# Altium PCB PROC114E3_BRD.PcbDoc (part 1 of 18) (continued)
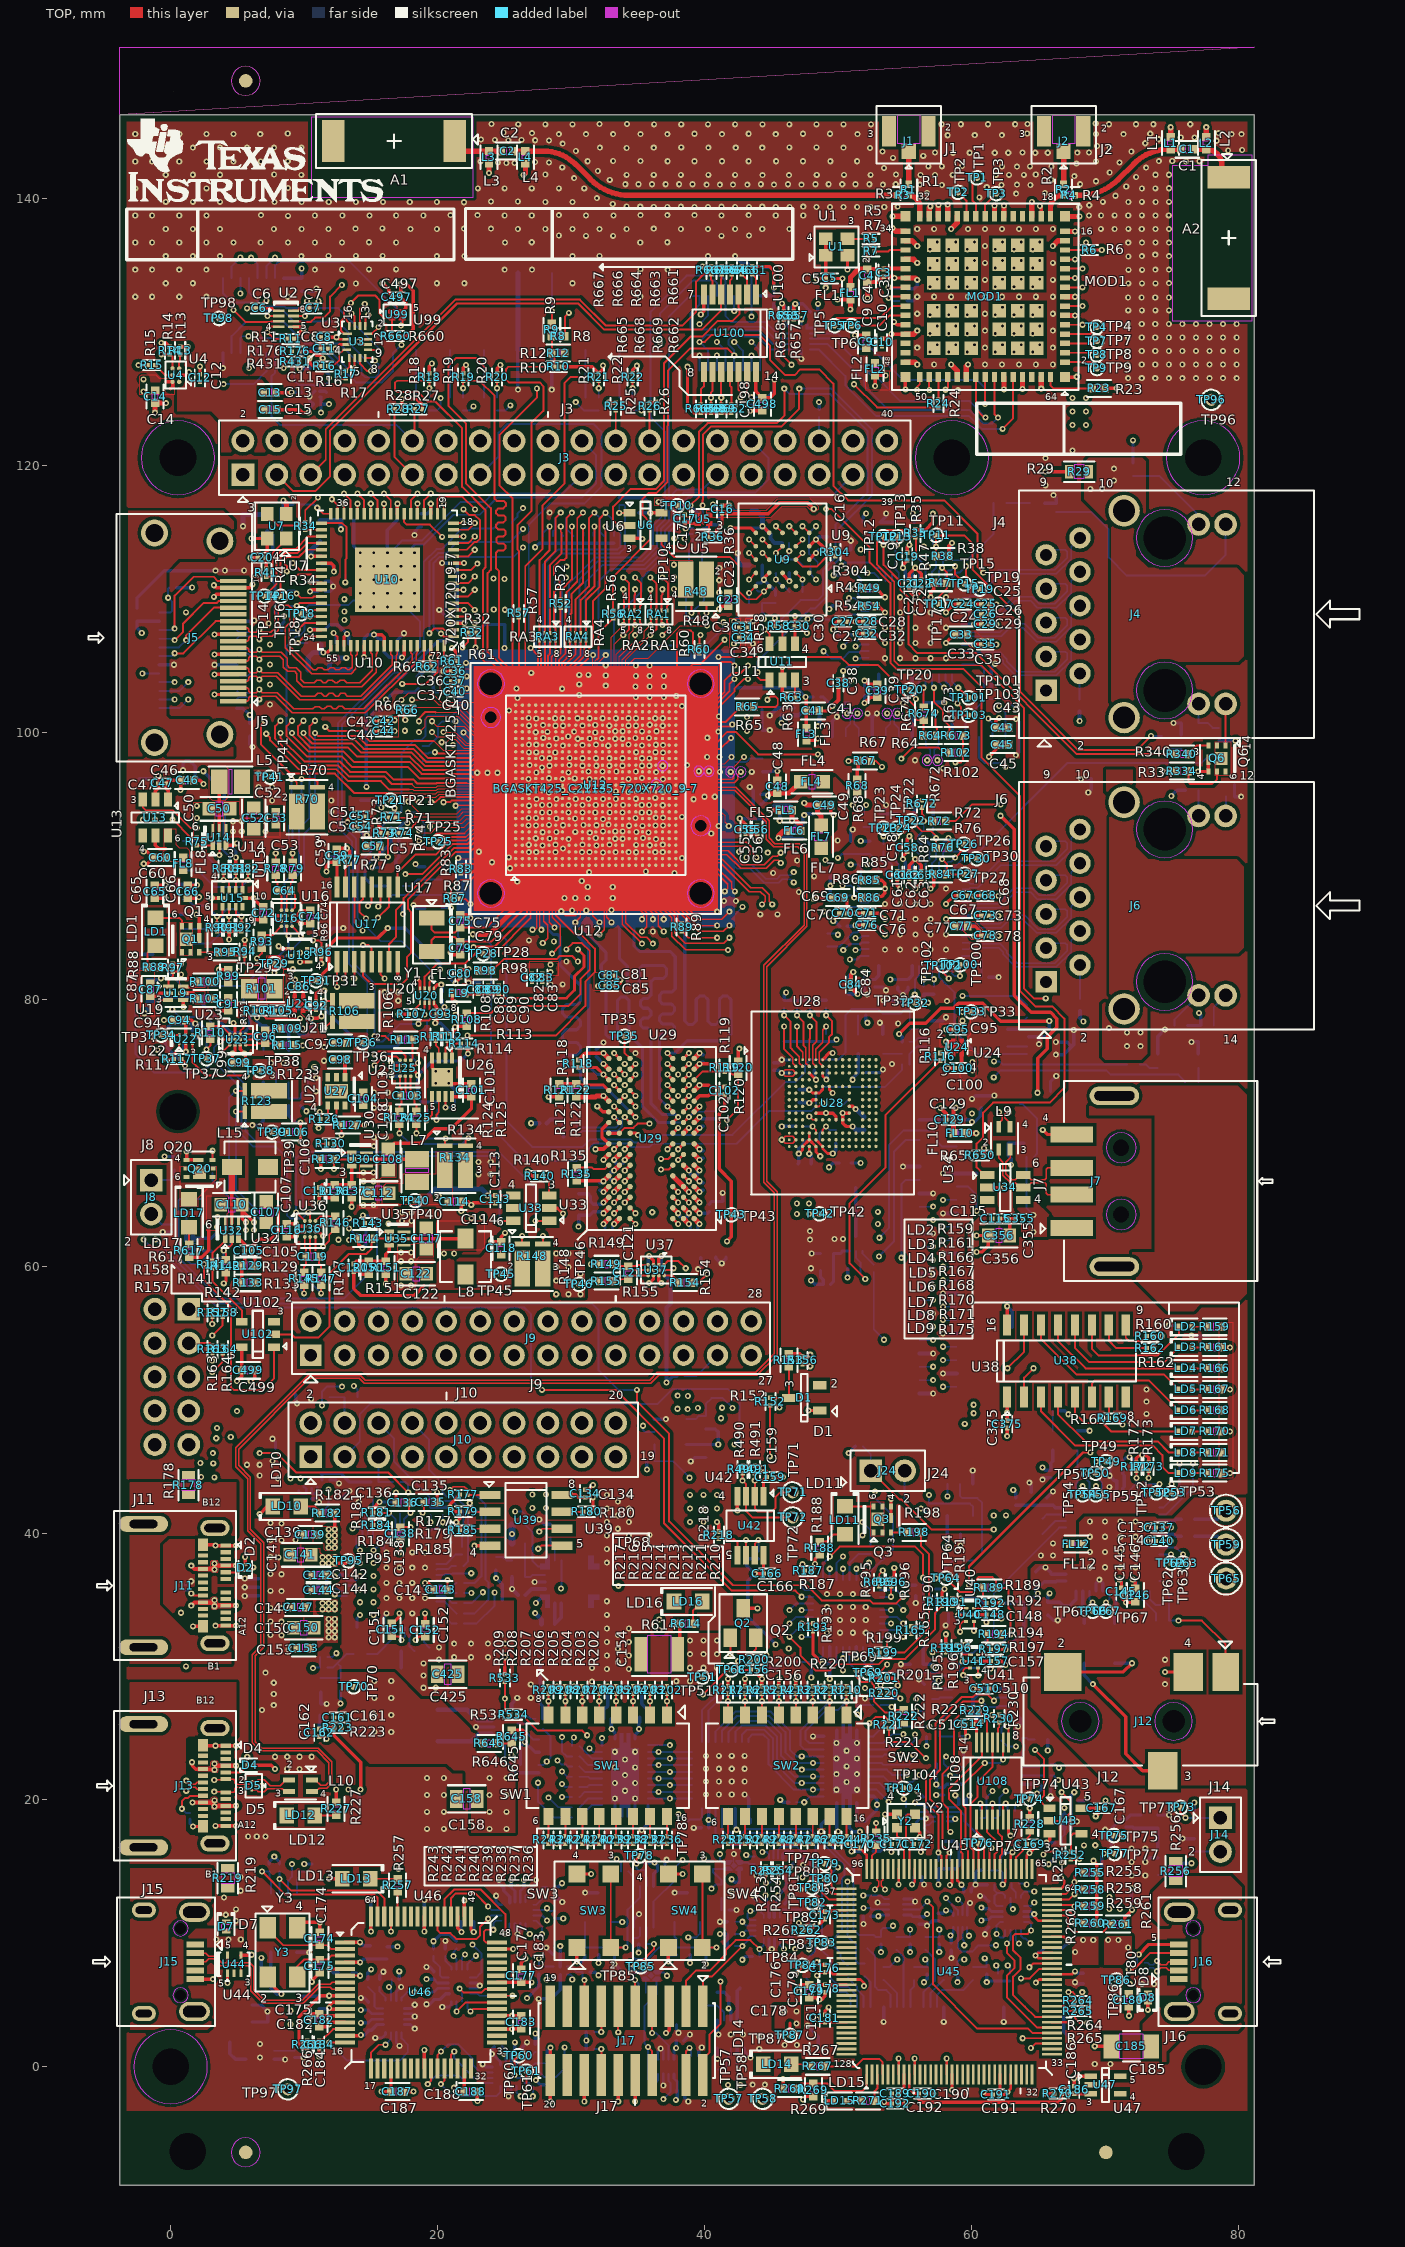
[diagram p0: TOP view]
## Components (designator, comment, footprint, x,y, rotation, side; value= is the part's Value field where it differs from the comment) (continued)
C145 "CAP_CAP0201_0-5_0.1UF" CAP0201_0-5#1 71.256,35.614 r90 top
C146 "CAP_CAP0402_0-75_10UF" CAP0402_0-75#1 72.299,35.355 r90 top
C147 "CAP_CAP0402_0-75_0.1UF" CAP0402_0-75#1 9.615,34.429 r180 top
C148 "CAP_CAP0201_0-5_0.1UF" CAP0201_0-5#1 61.412,33.862 r0 top
C149 "CAP_CAP0805_1-5_10UF" CAP0805_1-5#1 20.764,29.416 r0 bottom
C150 "CAP_CAP0603_1_10UF" CAP0603_1#1 9.971,32.9 r180 top
C151 "CAP_CAP0402_0-75_220PF" CAP0402_0-75#1 16.586,32.739 r90 top
C152 "CAP_CAP0402_0-75_220PF" CAP0402_0-75#1 19.081,32.726 r90 top
C153 "CAP_CAP0402_0-75_0.1UF" CAP0402_0-75#1 9.971,31.379 r180 top
C154 "CAP_CAP1210_2-75_47UF" CAP1210_2-75#1 36.615,30.922 r180 top
C155 "CAP_CAP0603_1_10UF" CAP0603_1#2 22.188,21.986 r0 bottom
C156 "CAP_CAP0201_0-5_0.1UF" CAP0201_0-5#1 43.752,29.748 r180 top
C157 "CAP_CAP0201_0-5_0.1UF" CAP0201_0-5#1 61.741,30.382 r0 top
C158 "CAP_CAP0805_1-5_22UF" CAP0805_1-5#2 22.188,20.081 r180 top
C159 "CAP_CAP0201_0-5_0.1UF" CAP0201_0-5#1 44.935,44.189 r0 top
C160 "CAP_CAP0805_1-5_22UF" CAP0805_1-5#1 22.188,18.049 r0 bottom
C161 "CAP_CAP0201_0-5_0.1UF" CAP0201_0-5#1 12.524,26.172 r180 top
C162 "CAP_CAP0201_0-5_0.1UF" CAP0201_0-5#1 11.139,25.029 r90 top
C164 "CAP_CAP0402_0-75_0.1UF" CAP0402_0-75#1 27.61,24.049 r270 bottom
C166 "CAP_CAP0201_0-5_0.1UF" CAP0201_0-5#1 44.706,36.955 r0 top
C167 "CAP_CAP0201_0-5_0.1UF" CAP0201_0-5#1 69.781,19.37 r0 top
C169 "CAP_CAP0201_0-5_0.1UF" CAP0201_0-5#1 64.428,16.673 r180 top
C170 "CAP_CAP0201_0-5_0.1UF" CAP0201_0-5#1 51.652,16.666 r270 top
C171 "CAP_CAP0201_0-5_12PF" CAP0201_0-5#1 54.294,16.662 r0 top
C172 "CAP_CAP0201_0-5_12PF" CAP0201_0-5#1 55.945,16.662 r180 top
C173 "CAP_CAP0201_0-5_0.1UF" CAP0201_0-5#1 49.036,11.354 r90 top
C174 "CAP_CAP0402_0-75_18PF" CAP0402_0-75#1 11.18,9.596 r90 top
C175 "CAP_CAP0402_0-75_18PF" CAP0402_0-75#1 11.18,7.549 r270 top
C176 "CAP_CAP0201_0-5_0.01UF" CAP0201_0-5#1 49.036,7.366 r90 top
C177 "CAP_CAP0402_0-75_0.1UF" CAP0402_0-75#1 26.288,6.813 r270 top
C178 "CAP_CAP0201_0-5_1UF" CAP0201_0-5#1 49.036,5.857 r270 top
C179 "CAP_CAP0402_0-75_2.2UF" CAP0402_0-75#1 47.868,5.647 r270 top
C180 "CAP_CAP0402_0-75_4.7UF" CAP0402_0-75#1 71.814,4.983 r270 top
C181 "CAP_CAP0201_0-5_0.01UF" CAP0201_0-5#1 49.036,3.617 r90 top
C182 "CAP_CAP0402_0-75_0.1UF" CAP0402_0-75#1 11.129,3.49 r90 top
C183 "CAP_CAP0402_0-75_0.1UF" CAP0402_0-75#1 26.288,3.333 r90 top
C184 "CAP_CAP0201_0-5_0.1UF" CAP0201_0-5#1 11.139,1.661 r90 top
C185 "CAP_CAP1206_1-75_1000PF" CAP1206_1-75#1 71.998,1.534 r0 top
C186 "CAP_CAP0201_0-5_0.01UF" CAP0201_0-5#1 67.705,-1.732 r90 top
C187 "CAP_CAP0402_0-75_0.1UF" CAP0402_0-75#1 16.999,-1.862 r180 top
C188 "CAP_CAP0402_0-75_0.1UF" CAP0402_0-75#1 22.499,-1.862 r180 top
C189 "CAP_CAP0201_0-5_0.01UF" CAP0201_0-5#1 54.31,-2.007 r180 top
C190 "CAP_CAP0201_0-5_0.1UF" CAP0201_0-5#1 56.343,-2.007 r180 top
C191 "CAP_CAP0201_0-5_0.01UF" CAP0201_0-5#1 61.878,-2.083 r180 top
C192 "CAP_CAP0201_0-5_1UF" CAP0201_0-5#1 54.31,-2.769 r180 top
C193 "CAP_CAP0402_0-75_2.2UF" CAP0402_0-75#2 10.906,127.264 r0 bottom
C194 "CAP_CAP0201_0-5_1UF" CAP0201_0-5#2 10.986,124.603 r0 bottom
C195 "CAP_CAP1206_1-75_1000PF" CAP1206_1-75#2 68.189,119.543 r0 bottom
C196 "CAP_CAP0402_0-75_0.1UF" CAP0402_0-75#1 6.694,116.825 r90 bottom
C197 "CAP_CAP0402_0-75_2.2UF" CAP0402_0-75#1 5.424,116.825 r270 bottom
C198 "CAP_CAP0402_0-75_4.7UF" CAP0402_0-75#1 43.055,116.585 r0 bottom
C199 "CAP_CAP0402_0-75_10UF" CAP0402_0-75#1 18.773,115.907 r270 bottom
C200 "CAP_CAP0201_0-5_0.1UF" CAP0201_0-5#1 16.995,116.212 r270 bottom
C201 "CAP_CAP0402_0-75_10UF" CAP0402_0-75#1 13.242,115.898 r0 bottom
C202 "CAP_CAP0402_0-75_0.1UF" CAP0402_0-75#1 35.058,115.969 r270 bottom
C203 "CAP_CAP0402_0-75_0.1UF" CAP0402_0-75#2 43.063,115.317 r0 bottom
C204 "CAP_CAP0402_0-75_10UF" CAP0402_0-75#1 7.786,115.174 r0 bottom
C205 "CAP_CAP0402_0-75_0.1UF" CAP0402_0-75#1 41.135,115.074 r270 bottom
C206 "CAP_CAP0402_0-75_0.1UF" CAP0402_0-75#1 49.235,114.174 r270 bottom
C207 "CAP_CAP0201_0-5_0.1UF" CAP0201_0-5#1 11.295,112.91 r270 bottom
C208 "CAP_CAP0201_0-5_0.1UF" CAP0201_0-5#1 55.208,113.184 r90 bottom
C209 "CAP_CAP0201_0-5_0.1UF" CAP0201_0-5#2 21.195,112.69 r0 bottom
C210 "CAP_CAP0402_0-75_0.1UF" CAP0402_0-75#2 43.842,112.535 r0 bottom
C211 "CAP_CAP0402_0-75_10UF" CAP0402_0-75#1 4.783,111.643 r90 bottom
C212 "CAP_CAP0201_0-5_0.1UF" CAP0201_0-5#1 11.295,111.325 r0 bottom
C213 "CAP_CAP0201_0-5_0.1UF" CAP0201_0-5#1 11.295,110.563 r0 bottom
C214 "CAP_CAP0402_0-75_4.7UF" CAP0402_0-75#1 24.747,110.312 r270 bottom
C215 "CAP_CAP0201_0-5_1UF" CAP0201_0-5#1 23.731,110.312 r90 bottom
C216 "CAP_CAP0201_0-5_0.1UF" CAP0201_0-5#1 61.044,109.597 r0 bottom
C217 "CAP_CAP0201_0-5_0.1UF" CAP0201_0-5#2 21.195,109.19 r0 bottom
C218 "CAP_CAP0201_0-5_0.1UF" CAP0201_0-5#1 42.943,108.565 r0 bottom
C219 "CAP_CAP0402_0-75_10UF" CAP0402_0-75#1 -2.52,108.812 r90 bottom
C220 "CAP_CAP0201_0-5_0.01UF" CAP0201_0-5#1 25.025,108.368 r90 bottom
C221 "CAP_CAP0201_0-5_0.1UF" CAP0201_0-5#3 33.847,96.784 r45 bottom
C222 "CAP_CAP0201_0-5_1UF" CAP0201_0-5#1 23.501,108.368 r90 bottom
C223 "CAP_CAP0201_0-5_0.1UF" CAP0201_0-5#2 21.195,108.317 r0 bottom
C224 "CAP_CAP0201_0-5_1UF" CAP0201_0-5#1 61.044,108.097 r0 bottom
C225 "CAP_CAP0201_0-5_0.1UF" CAP0201_0-5#1 11.295,107.741 r0 bottom
C226 "CAP_CAP0402_0-75_4.7UF" CAP0402_0-75#1 42.892,107.437 r0 bottom
C227 "CAP_CAP0201_0-5_1UF" CAP0201_0-5#2 50.426,107.326 r0 bottom
C228 "CAP_CAP0201_0-5_1UF" CAP0201_0-5#1 61.044,106.597 r0 bottom
C229 "CAP_CAP0201_0-5_0.1UF" CAP0201_0-5#1 17.011,106.49 r90 bottom
C230 "CAP_CAP0402_0-75_10UF" CAP0402_0-75#1 15.995,106.49 r90 bottom
C231 "CAP_CAP0201_0-5_0.1UF" CAP0201_0-5#1 14.495,106.49 r90 bottom
C232 "CAP_CAP0603_1_22UF" CAP0603_1#2 11.114,104.699 r0 bottom
C233 "CAP_CAP0402_0-75_4.7UF" CAP0402_0-75#2 20.182,103.744 r0 bottom
C234 "CAP_CAP0201_0-5_22PF" CAP0201_0-5#2 61.229,103.373 r0 bottom
C235 "CAP_CAP0201_0-5_0.1UF" CAP0201_0-5#1 55.259,103.044 r270 bottom
C236 "CAP_CAP0201_0-5_1UF" CAP0201_0-5#1 54.497,103.044 r270 bottom
C237 "CAP_CAP0201_0-5_1UF" CAP0201_0-5#1 52.762,103.044 r270 bottom
C238 "CAP_CAP0201_0-5_0.1UF" CAP0201_0-5#1 52,103.044 r270 bottom
C239 "CAP_CAP0201_0-5_1UF" CAP0201_0-5#2 29.199,99.959 r0 bottom
C240 "CAP_CAP0201_0-5_0.1UF" CAP0201_0-5#1 26.63,102.91 r270 bottom
C241 "CAP_CAP0201_0-5_0.1UF" CAP0201_0-5#1 27.52,102.91 r270 bottom
C242 "CAP_CAP0402_0-75_10UF" CAP0402_0-75#1 50.839,102.732 r270 bottom
C243 "CAP_CAP0201_0-5_0.1UF" CAP0201_0-5#1 48.452,102.652 r0 bottom
C244 "CAP_CAP0201_0-5_1UF" CAP0201_0-5#1 44.035,101.697 r0 bottom
C245 "CAP_CAP0201_0-5_0.1UF" CAP0201_0-5#1 46.674,101.565 r90 bottom
C246 "CAP_CAP0201_0-5_1UF" CAP0201_0-5#1 45.785,101.565 r90 bottom
C247 "CAP_CAP0201_0-5_0.1UF" CAP0201_0-5#1 44.035,100.935 r0 bottom
C248 "CAP_CAP0402_0-75_10UF" CAP0402_0-75#1 5.923,100.189 r90 bottom
C249 "CAP_CAP0201_0-5_1UF" CAP0201_0-5#1 15.984,100.459 r0 bottom
C250 "CAP_CAP0201_0-5_0.1UF" CAP0201_0-5#1 44.035,100.173 r0 bottom
C251 "CAP_CAP0201_0-5_1UF" CAP0201_0-5#1 32.816,99.565 r90 bottom
C252 "CAP_CAP0201_0-5_0.1UF" CAP0201_0-5#4 30.352,99.103 r135 bottom
C253 "CAP_CAP0201_0-5_0.1UF" CAP0201_0-5#4 28.973,99.08 r135 bottom
C254 "CAP_CAP0201_0-5_0.1UF" CAP0201_0-5#1 33.734,98.964 r0 bottom
C255 "CAP_CAP0201_0-5_0.1UF" CAP0201_0-5#3 31.411,98.75 r225 bottom
C256 "CAP_CAP0201_0-5_1UF" CAP0201_0-5#3 35.625,98.57 r45 bottom
C257 "CAP_CAP0201_0-5_1UF" CAP0201_0-5#3 29.682,98.53 r45 bottom
C258 "CAP_CAP0201_0-5_1UF" CAP0201_0-5#4 29.122,97.724 r315 bottom
C259 "CAP_CAP0201_0-5_0.1UF" CAP0201_0-5#2 33.468,98.344 r0 bottom
C260 "CAP_CAP0201_0-5_0.1UF" CAP0201_0-5#1 32.249,98.344 r0 bottom
C261 "CAP_CAP0201_0-5_0.1UF" CAP0201_0-5#1 30.522,97.861 r90 bottom
C262 "CAP_CAP0201_0-5_0.1UF" CAP0201_0-5#3 34.37,97.843 r45 bottom
C263 "CAP_CAP0201_0-5_0.1UF" CAP0201_0-5#2 26.481,99.731 r0 bottom
C264 "CAP_CAP0201_0-5_0.1UF" CAP0201_0-5#1 31.368,97.641 r90 bottom
C265 "CAP_CAP0201_0-5_0.1UF" CAP0201_0-5#3 34.84,97.429 r225 bottom
C266 "CAP_CAP0201_0-5_0.1UF" CAP0201_0-5#2 27.725,96.487 r0 bottom
C267 "CAP_CAP0201_0-5_0.1UF" CAP0201_0-5#4 30.326,96.891 r135 bottom
C268 "CAP_CAP0201_0-5_0.1UF" CAP0201_0-5#4 32.998,96.229 r315 bottom
C269 "CAP_CAP0201_0-5_1UF" CAP0201_0-5#4 28.97,96.937 r135 bottom
C270 "CAP_CAP0201_0-5_0.01UF" CAP0201_0-5#3 34.868,96.144 r225 bottom
C271 "CAP_CAP0201_0-5_0.1UF" CAP0201_0-5#4 29.938,95.982 r135 bottom
C272 "CAP_CAP0201_0-5_0.1UF" CAP0201_0-5#3 28.825,95.834 r45 bottom
C273 "CAP_CAP0201_0-5_0.1UF" CAP0201_0-5#1 31.321,95.591 r90 bottom
C274 "CAP_CAP0201_0-5_0.1UF" CAP0201_0-5#1 32.071,95.397 r90 bottom
C275 "CAP_CAP0201_0-5_0.1UF" CAP0201_0-5#2 43.93,95.379 r0 bottom
C276 "CAP_CAP0201_0-5_1UF" CAP0201_0-5#4 27.796,95.316 r135 bottom
C277 "CAP_CAP0201_0-5_0.1UF" CAP0201_0-5#4 29.811,95.27 r135 bottom
C278 "CAP_CAP0201_0-5_0.1UF" CAP0201_0-5#1 35.686,95.194 r0 bottom
C279 "CAP_CAP0201_0-5_0.1UF" CAP0201_0-5#1 32.833,95.169 r90 bottom
C280 "CAP_CAP0201_0-5_0.1UF" CAP0201_0-5#1 34.047,95.164 r0 bottom
C281 "CAP_CAP0201_0-5_0.01UF" CAP0201_0-5#2 43.93,94.617 r0 bottom
C282 "CAP_CAP0201_0-5_0.1UF" CAP0201_0-5#3 31.324,94.341 r45 bottom
C283 "CAP_CAP0201_0-5_0.1UF" CAP0201_0-5#3 34.516,94.303 r225 bottom
C284 "CAP_CAP0201_0-5_0.1UF" CAP0201_0-5#1 46.413,94.274 r270 bottom
C285 "CAP_CAP0201_0-5_1UF" CAP0201_0-5#1 45.651,94.274 r270 bottom
C286 "CAP_CAP0201_0-5_0.1UF" CAP0201_0-5#4 29.27,94.271 r135 bottom
C287 "CAP_CAP0201_0-5_0.01UF" CAP0201_0-5#1 36.371,94.229 r270 bottom
C288 "CAP_CAP0201_0-5_0.01UF" CAP0201_0-5#1 33.533,94.202 r270 bottom
C289 "CAP_CAP0201_0-5_0.01UF" CAP0201_0-5#1 48.147,94.193 r270 bottom
C290 "CAP_CAP0201_0-5_0.01UF" CAP0201_0-5#4 35.646,93.476 r315 bottom
C291 "CAP_CAP0201_0-5_0.1UF" CAP0201_0-5#1 31.64,93.467 r270 bottom
C292 "CAP_CAP0201_0-5_0.1UF" CAP0201_0-5#1 33.641,93.25 r0 bottom
C293 "CAP_CAP0402_0-75_4.7UF" CAP0402_0-75#1 43.407,93.055 r90 bottom
C294 "CAP_CAP0201_0-5_1UF" CAP0201_0-5#3 27.954,93.406 r225 bottom
C295 "CAP_CAP0201_0-5_0.1UF" CAP0201_0-5#1 44.534,93.041 r90 bottom
C296 "CAP_CAP0201_0-5_0.01UF" CAP0201_0-5#2 16.802,92.866 r0 bottom
C297 "CAP_CAP0402_0-75_4.7UF" CAP0402_0-75#1 47.365,92.524 r90 bottom
C298 "CAP_CAP0201_0-5_0.1UF" CAP0201_0-5#1 46.102,92.441 r90 bottom
C299 "CAP_CAP0201_0-5_1UF" CAP0201_0-5#2 16.802,92.104 r0 bottom
C300 "CAP_CAP0201_0-5_0.1UF" CAP0201_0-5#1 31.859,96.659 r90 bottom
C301 "CAP_CAP0201_0-5_0.1UF" CAP0201_0-5#1 55.208,91.34 r90 bottom
C302 "CAP_CAP0201_0-5_1UF" CAP0201_0-5#1 34.4,92.415 r90 bottom
C303 "CAP_CAP0402_0-75_18PF" CAP0402_0-75#1 19.039,89.456 r270 bottom
C304 "CAP_CAP0201_0-5_0.1UF" CAP0201_0-5#1 61.044,87.753 r0 bottom
C305 "CAP_CAP0402_0-75_18PF" CAP0402_0-75#1 19.039,87.323 r90 bottom
C306 "CAP_CAP0201_0-5_1UF" CAP0201_0-5#1 61.044,86.253 r0 bottom
C307 "CAP_CAP0201_0-5_1UF" CAP0201_0-5#2 50.426,85.482 r0 bottom
C308 "CAP_CAP0201_0-5_1UF" CAP0201_0-5#1 61.044,84.753 r0 bottom
C309 "CAP_CAP0201_0-5_0.1UF" CAP0201_0-5#1 21.718,81.932 r270 bottom
C310 "CAP_CAP0201_0-5_0.1UF" CAP0201_0-5#1 20.829,81.932 r270 bottom
C311 "CAP_CAP0402_0-75_10UF" CAP0402_0-75#1 23.154,81.739 r270 bottom
C312 "CAP_CAP0201_0-5_22PF" CAP0201_0-5#2 61.039,81.656 r0 bottom
C313 "CAP_CAP0402_0-75_10UF" CAP0402_0-75#1 27.772,81.631 r270 bottom
C314 "CAP_CAP0402_0-75_4.7UF" CAP0402_0-75#1 26.502,81.631 r270 bottom
C315 "CAP_CAP0201_0-5_0.1UF" CAP0201_0-5#1 55.259,81.2 r270 bottom
C316 "CAP_CAP0201_0-5_1UF" CAP0201_0-5#1 54.497,81.2 r270 bottom
C317 "CAP_CAP0201_0-5_1UF" CAP0201_0-5#1 52.762,81.2 r270 bottom
C318 "CAP_CAP0201_0-5_0.1UF" CAP0201_0-5#1 52,81.2 r270 bottom
C319 "CAP_CAP0402_0-75_10UF" CAP0402_0-75#1 50.839,80.888 r270 bottom
C320 "CAP_CAP0603_1_10UF" CAP0603_1#1 -1.754,80.658 r90 bottom
C321 "CAP_CAP0201_0-5_0.1UF" CAP0201_0-5#1 20.342,80.263 r270 bottom
C322 "CAP_CAP0201_0-5_10PF" CAP0201_0-5#1 55.39,79.492 r90 bottom
C323 "CAP_CAP0402_0-75_0.1UF" CAP0402_0-75#2 8.356,77.684 r0 bottom
C324 "CAP_CAP0201_0-5_1UF" CAP0201_0-5#1 65.844,77.476 r90 bottom
C325 "CAP_CAP0201_0-5_0.1UF" CAP0201_0-5#1 65.082,77.476 r90 bottom
C326 "CAP_CAP0201_0-5_0.1UF" CAP0201_0-5#1 64.32,77.476 r90 bottom
C327 "CAP_CAP1206_1-75_1000PF" CAP1206_1-75#2 69.038,76.462 r0 bottom
C328 "CAP_CAP0201_0-5_0.1UF" CAP0201_0-5#1 31.873,75.966 r270 bottom
C329 "CAP_CAP0201_0-5_0.01UF" CAP0201_0-5#1 39.908,75.566 r90 bottom
C330 "CAP_CAP0201_0-5_1UF" CAP0201_0-5#1 45.175,74.963 r90 bottom
C331 "CAP_CAP0402_0-75_0.1UF" CAP0402_0-75#1 46.499,74.962 r90 bottom
C332 "CAP_CAP0402_0-75_0.1UF" CAP0402_0-75#1 17.245,74.736 r270 bottom
C333 "CAP_CAP0402_0-75_0.1UF" CAP0402_0-75#2 48.721,74.702 r0 bottom
C334 "CAP_CAP0201_0-5_0.01UF" CAP0201_0-5#2 51.802,74.514 r0 bottom
C335 "CAP_CAP0402_0-75_0.1UF" CAP0402_0-75#1 47.144,72.74 r270 bottom
C336 "CAP_CAP0201_0-5_0.01UF" CAP0201_0-5#1 39.908,70.765 r90 bottom
C337 "CAP_CAP0201_0-5_0.01UF" CAP0201_0-5#2 27.906,70.709 r0 bottom
C338 "CAP_CAP0402_0-75_2.2UF" CAP0402_0-75#1 51.951,70.706 r90 bottom
C339 "CAP_CAP0201_0-5_0.01UF" CAP0201_0-5#1 39.908,68.366 r90 bottom
C340 "CAP_CAP0201_0-5_0.01UF" CAP0201_0-5#2 33.634,67.691 r0 bottom
C341 "CAP_CAP0402_0-75_2.2UF" CAP0402_0-75#1 47.51,67.678 r0 bottom
C343 "CAP_CAP0201_0-5_0.01UF" CAP0201_0-5#1 39.234,66.891 r0 bottom
C344 "CAP_CAP0201_0-5_0.01UF" CAP0201_0-5#1 32.96,66.765 r270 bottom
C346 "CAP_CAP0201_0-5_0.01UF" CAP0201_0-5#1 39.908,65.965 r90 bottom
C347 "CAP_CAP0201_0-5_0.01UF" CAP0201_0-5#1 32.159,65.965 r90 bottom
C349 "CAP_CAP0603_1_22UF" CAP0603_1#1 30.573,64.613 r90 bottom
C350 "CAP_CAP0201_0-5_0.01UF" CAP0201_0-5#1 32.159,64.366 r90 bottom
C351 "CAP_CAP0402_0-75_2.2UF" CAP0402_0-75#1 41.368,64.359 r90 bottom
C352 "CAP_CAP0201_0-5_0.1UF" CAP0201_0-5#1 40.352,64.359 r270 bottom
C353 "CAP_CAP0603_1_4.7UF" CAP0603_1#2 51.347,63.866 r0 bottom
C354 "CAP_CAP0201_0-5_0.01UF" CAP0201_0-5#1 38.434,63.691 r0 bottom
C355 "CAP_CAP0201_0-5_0.1UF" CAP0201_0-5#1 63.617,63.555 r180 top
C356 "CAP_CAP0603_1_10UF" CAP0603_1#1 62.084,62.297 r0 top
C357 "CAP_CAP0603_1_22UF" CAP0603_1#1 48.807,63.155 r270 bottom
C358 "CAP_CAP0201_0-5_0.01UF" CAP0201_0-5#2 39.234,62.891 r0 bottom
C359 "CAP_CAP0201_0-5_0.01UF" CAP0201_0-5#1 32.834,62.891 r0 bottom
C361 "CAP_CAP0201_0-5_0.1UF" CAP0201_0-5#2 37.975,62.012 r0 bottom
C362 "CAP_CAP0201_0-5_0.1UF" CAP0201_0-5#1 41.62,60.957 r90 bottom
C363 "CAP_CAP0201_0-5_0.1UF" CAP0201_0-5#1 40.858,60.957 r90 bottom
C365 "CAP_CAP0402_0-75_0.1UF" CAP0402_0-75#2 36.284,60.057 r0 bottom
C367 "CAP_CAP0201_0-5_120PF" CAP0201_0-5#1 49.188,58.659 r0 bottom
C371 "CAP_POL_CAPT7343D_3-25_150UF_10" CAPT7343D_3-25 63.083,58.526 r270 bottom
C372 "CAP_CAP1206_1-75_1000PF" CAP1206_1-75#1 77.89,56.297 r270 bottom
C375 "CAP_CAP0201_0-5_0.1UF" CAP0201_0-5#1 62.688,48.148 r270 top
C376 "CAP_CAP0201_0-5_1UF" CAP0201_0-5#1 10.529,50.861 r270 bottom
C377 "CAP_CAP0402_0-75_0.1UF" CAP0402_0-75#1 9.386,50.861 r90 bottom
C379 "CAP_CAP0402_0-75_2.2UF" CAP0402_0-75#2 8.345,46.365 r0 bottom
C380 "CAP_CAP0402_0-75_0.1UF" CAP0402_0-75#1 40.101,46.147 r270 bottom
C381 "CAP_CAP0201_0-5_0.1UF" CAP0201_0-5#1 8.472,45.222 r0 bottom
C384 "CAP_CAP0402_0-75_10UF" CAP0402_0-75#2 70.861,44.943 r0 bottom
C385 "CAP_CAP0201_0-5_0.1UF" CAP0201_0-5#2 46.309,131.535 r0 bottom
C386 "CAP_CAP0201_0-5_0.1UF" CAP0201_0-5#1 65.965,44.423 r270 bottom
C387 "CAP_CAP0201_0-5_1UF" CAP0201_0-5#1 11.623,43.972 r0 bottom
C388 "CAP_CAP0201_0-5_0.1UF" CAP0201_0-5#2 71.198,43.927 r0 bottom
C391 "CAP_CAP0402_0-75_2.2UF" CAP0402_0-75#2 8.595,43.317 r0 bottom
C392 "CAP_CAP1206_1-75_1000PF" CAP1206_1-75#1 5.119,42.809 r0 bottom
C393 "CAP_CAP0402_0-75_10UF" CAP0402_0-75#1 64.505,42.562 r90 bottom
C394 "CAP_CAP0201_0-5_0.1UF" CAP0201_0-5#1 65.648,42.352 r90 bottom
C395 "CAP_CAP1210_2-75_47UF" CAP1210_2-75#2 36.615,41.844 r0 bottom
C396 "CAP_CAP0805_1-5_1UF" CAP0805_1-5#2 30.977,41.387 r0 bottom
C397 "CAP_CAP0402_0-75_0.1UF" CAP0402_0-75#2 76.247,41.037 r0 bottom
C398 "CAP_CAP0805_1-5_1UF" CAP0805_1-5#1 10.122,40.57 r0 bottom
C399 "CAP_CAP0402_0-75_0.1UF" CAP0402_0-75#2 76.247,39.767 r0 bottom
C400 "CAP_CAP0603_1_10UF" CAP0603_1#1 30.977,39.583 r0 bottom
C401 "CAP_CAP0201_0-5_0.01UF" CAP0201_0-5#2 10.606,39.021 r0 bottom
C402 "CAP_CAP0402_0-75_36PF" CAP0402_0-75#1 26.074,37.958 r0 bottom
C404 "CAP_CAP0201_0-5_0.1UF" CAP0201_0-5#1 45.212,132.441 r90 bottom
C405 "CAP_CAP0201_0-5_0.1UF" CAP0201_0-5#1 65.978,36.622 r90 bottom
C406 "CAP_CAP0402_0-75_10UF" CAP0402_0-75#1 64.835,36.622 r90 bottom
C407 "CAP_CAP0201_0-5_1UF" CAP0201_0-5#2 26.316,35.354 r0 bottom
C408 "CAP_CAP0402_0-75_0.1UF" CAP0402_0-75#1 9.817,133.554 r90 bottom
C409 "CAP_CAP0201_0-5_0.01UF" CAP0201_0-5#2 10.123,34.424 r0 bottom
C410 "CAP_CAP0402_0-75_10UF" CAP0402_0-75#1 65.724,34.326 r270 bottom
C411 "CAP_CAP0201_0-5_0.1UF" CAP0201_0-5#1 66.892,34.275 r270 bottom
C412 "CAP_CAP0402_0-75_0.47UF" CAP0402_0-75#2 74.328,33.433 r0 bottom
C413 "CAP_CAP0402_0-75_0.1UF" CAP0402_0-75#2 28.295,33.17 r0 bottom
C414 "CAP_CAP0603_1_10UF" CAP0603_1#1 30.977,32.979 r0 bottom
C415 "CAP_CAP0805_1-5_1UF" CAP0805_1-5#1 9.971,32.9 r0 bottom
C416 "CAP_CAP1206_2_47UF" CAP1206_2 70.744,31.737 r270 bottom
C417 "CAP_CAP1206_2_47UF" CAP1206_2 68.458,31.737 r270 bottom
C418 "CAP_CAP0805_1-5_1UF" CAP0805_1-5#2 30.951,31.049 r0 bottom
C419 "CAP_CAP1210_2-75_47UF" CAP1210_2-75#2 36.615,30.922 r0 bottom
C420 "CAP_CAP0805_1-5_22UF" CAP0805_1-5#1 22.188,20.081 r0 bottom
C421 "CAP_CAP0402_0-75_0.1UF" CAP0402_0-75#2 55.907,30.167 r0 bottom
C422 "CAP_CAP0201_0-5_0.01UF" CAP0201_0-5#1 49.392,29.932 r90 bottom
C423 "CAP_CAP0402_0-75_4.7UF" CAP0402_0-75#1 17.769,29.881 r0 bottom
C424 "CAP_CAP0603_1_10UF" CAP0603_1#1 25.006,28.946 r0 bottom
C425 "CAP_CAP0805_1-5_10UF" CAP0805_1-5#2 20.764,29.416 r180 top
C426 "CAP_CAP0402_0-75_0.1UF" CAP0402_0-75#2 36.615,28.509 r0 bottom
C427 "CAP_CAP1206_1-75_1000PF" CAP1206_1-75#1 5.272,28.026 r0 bottom
C429 "CAP_CAP0201_0-5_0.1UF" CAP0201_0-5#1 54.085,27.879 r270 bottom
C430 "CAP_CAP0201_0-5_0.1UF" CAP0201_0-5#2 35.447,26.198 r0 bottom
C431 "CAP_CAP0201_0-5_0.1UF" CAP0201_0-5#2 32.754,26.071 r0 bottom
C432 "CAP_CAP0603_1_10UF" CAP0603_1#1 10.251,20.666 r90 bottom
C433 "CAP_CAP0603_1_10UF" CAP0603_1#1 8.219,20.666 r90 bottom
C435 "CAP_CAP0201_0-5_0.1UF" CAP0201_0-5#1 13.844,20.229 r0 bottom
C437 "CAP_CAP0201_0-5_0.1UF" CAP0201_0-5#2 67.737,19.943 r0 bottom
C439 "CAP_CAP0201_0-5_0.1UF" CAP0201_0-5#1 49.632,18.425 r0 bottom
C440 "CAP_CAP0201_0-5_0.1UF" CAP0201_0-5#2 51.144,18.4 r0 bottom
C441 "CAP_CAP0201_0-5_15PF" CAP0201_0-5#1 71.568,18.247 r270 bottom
C442 "CAP_CAP0201_0-5_0.01UF" CAP0201_0-5#1 40.039,17.906 r0 bottom
C443 "CAP_CAP0201_0-5_1UF" CAP0201_0-5#1 69.889,16.952 r90 bottom
C445 "CAP_CAP0201_0-5_0.1UF" CAP0201_0-5#2 47.103,15.67 r0 bottom
C446 "CAP_CAP0201_0-5_0.1UF" CAP0201_0-5#2 36.767,14.723 r0 bottom
C449 "CAP_CAP0201_0-5_0.1UF" CAP0201_0-5#2 56.021,14.228 r0 bottom
C450 "CAP_CAP0201_0-5_0.1UF" CAP0201_0-5#2 46.417,13.764 r0 bottom
C451 "CAP_CAP0201_0-5_0.01UF" CAP0201_0-5#1 42.6,13.548 r90 bottom
C452 "CAP_CAP0201_0-5_0.1UF" CAP0201_0-5#2 26.76,13.447 r0 bottom
C453 "CAP_CAP0201_0-5_0.1UF" CAP0201_0-5#1 25.236,13.447 r0 bottom
C454 "CAP_CAP0201_0-5_1UF" CAP0201_0-5#1 59.717,13.123 r0 bottom
C455 "CAP_CAP0402_0-75_2.2UF" CAP0402_0-75#1 71.515,12.583 r0 bottom
C456 "CAP_CAP0201_0-5_0.1UF" CAP0201_0-5#2 45.734,12.228 r0 bottom
C457 "CAP_CAP0201_0-5_0.1UF" CAP0201_0-5#1 44.362,12.228 r0 bottom
C458 "CAP_CAP0201_0-5_0.1UF" CAP0201_0-5#1 61.304,12.126 r270 bottom
C459 "CAP_CAP0201_0-5_8.2PF" CAP0201_0-5#1 41.563,11.745 r0 bottom
C460 "CAP_CAP0402_0-75_0.1UF" CAP0402_0-75#1 19.009,11.344 r270 bottom
C461 "CAP_CAP0402_0-75_0.1UF" CAP0402_0-75#1 15.009,11.344 r270 bottom
C462 "CAP_CAP0201_0-5_0.1UF" CAP0201_0-5#1 52.196,11.276 r0 bottom
C463 "CAP_CAP0201_0-5_0.1UF" CAP0201_0-5#1 57.532,11.236 r90 bottom
C464 "CAP_CAP0201_0-5_0.1UF" CAP0201_0-5#1 56.1,10.958 r90 bottom
C465 "CAP_CAP0402_0-75_4.7UF" CAP0402_0-75#2 22.227,10.874 r0 bottom
C466 "CAP_CAP0201_0-5_0.1UF" CAP0201_0-5#1 61.304,10.754 r90 bottom
C467 "CAP_CAP0201_0-5_0.1UF" CAP0201_0-5#1 58.51,8.999 r90 bottom
C468 "CAP_CAP0201_0-5_0.1UF" CAP0201_0-5#2 65.787,8.904 r0 bottom
C469 "CAP_CAP0201_0-5_0.1UF" CAP0201_0-5#1 37.911,8.664 r90 bottom
C470 "CAP_CAP0201_0-5_0.1UF" CAP0201_0-5#1 31.053,8.664 r90 bottom
C471 "CAP_CAP0402_0-75_0.1UF" CAP0402_0-75#1 14.947,8.569 r270 bottom
C472 "CAP_CAP0201_0-5_0.1UF" CAP0201_0-5#1 28.919,8.443 r0 bottom
C473 "CAP_CAP0201_0-5_0.01UF" CAP0201_0-5#1 34.198,7.078 r0 bottom
C474 "CAP_CAP0201_0-5_0.1UF" CAP0201_0-5#2 68.668,6.996 r0 bottom
C475 "CAP_CAP0201_0-5_0.1UF" CAP0201_0-5#1 19.724,6.843 r270 bottom
C476 "CAP_CAP0402_0-75_0.1UF" CAP0402_0-75#1 7.504,6.379 r90 bottom
C477 "CAP_CAP0201_0-5_0.1UF" CAP0201_0-5#2 68.668,6.234 r0 bottom
C478 "CAP_CAP0201_0-5_0.1UF" CAP0201_0-5#1 19.724,5.319 r90 bottom
C479 "CAP_CAP0402_0-75_0.1UF" CAP0402_0-75#1 11.129,4.833 r90 bottom
C480 "CAP_CAP0402_0-75_0.1UF" CAP0402_0-75#2 5.631,4.627 r0 bottom
C481 "CAP_CAP0201_0-5_0.1UF" CAP0201_0-5#1 14.797,4.532 r270 bottom
C482 "CAP_CAP0402_0-75_2.2UF" CAP0402_0-75#2 7.753,3.357 r0 bottom
C483 "CAP_CAP0402_0-75_10UF" CAP0402_0-75#2 5.631,3.357 r0 bottom
C484 "CAP_CAP0201_0-5_0.1UF" CAP0201_0-5#1 37.632,3.159 r0 bottom
C485 "CAP_CAP0201_0-5_0.1UF" CAP0201_0-5#1 14.797,3.008 r90 bottom
C486 "CAP_CAP0603_1_22UF" CAP0603_1#1 45.099,2.652 r270 bottom
C487 "CAP_CAP0201_0-5_0.1UF" CAP0201_0-5#2 38.164,1.954 r0 bottom
C488 "CAP_CAP0201_0-5_0.1UF" CAP0201_0-5#1 24.55,1.496 r0 bottom
C489 "CAP_CAP0201_0-5_0.1UF" CAP0201_0-5#2 26.074,1.28 r0 bottom
C490 "CAP_CAP0201_0-5_0.01UF" CAP0201_0-5#1 9.31,0.975 r90 bottom
C491 "CAP_CAP0603_1_4.7UF" CAP0603_1#1 43.275,-0.396 r0 bottom
C492 "CAP_CAP0201_0-5_0.1UF" CAP0201_0-5#2 38.245,-1.742 r0 bottom
C493 "CAP_CAP0201_0-5_0.1UF" CAP0201_0-5#3 29.344,92.231 r225 bottom
C496 "CAP_CAP0201_0-5_0.1UF" CAP0201_0-5#1 48.23,131.535 r0 bottom
C497 "CAP_CAP0201_0-5_0.1UF" CAP0201_0-5#1 16.954,132.609 r0 top
C498 "CAP_CAP0402_0-75_0.1UF" CAP0402_0-75#1 44.351,124.586 r90 top
C499 "CAP_CAP0402_0-75_0.1UF" CAP0402_0-75#1 5.822,52.197 r0 top
C500 "CAP_CAP0402_0-75_0.1UF" CAP0402_0-75#1 3.048,61.605 r270 bottom
C502 "CAP_CAP0402_0-75_0.1UF" CAP0402_0-75#1 2.456,64.53 r90 bottom
C509 "CAP_CAP0402_0-75_0.1UF" CAP0402_0-75#2 58.703,39.918 r0 bottom
C510 "CAP_CAP0201_0-5_0.1UF" CAP0201_0-5#1 60.993,28.331 r180 top
C511 "CAP_CAP0201_0-5_0.1UF" CAP0201_0-5#2 56.745,28.669 r0 bottom
C512 "CAP_CAP0201_0-5_0.1UF" CAP0201_0-5#1 57.938,20.649 r270 bottom
C513 "CAP_CAP0201_0-5_0.1UF" CAP0201_0-5#1 65.659,20.929 r0 bottom
C514 "CAP_CAP0201_0-5_0.1UF" CAP0201_0-5#1 59.845,25.674 r180 top
C515 "CAP_CAP0201_0-5_0.1UF" CAP0201_0-5#1 59.332,19.676 r0 bottom
C516 "CAP_CAP0201_0-5_0.1UF" CAP0201_0-5#1 56.388,19.939 r90 bottom
D1 "DIODE_ZENER_SOT23_13_SOT23-123_" SOT23-123_1-2#1 47.488,50.13 r180 top
D2 "DIODE_TVS_DUAL_DIO_DFN0201_0-4_" DIO_DFN0201_0-4 5.58,37.405 r90 top
D4 "DIODE_TVS_DUAL_DIO_DFN0201_0-4_" DIO_DFN0201_0-4 5.958,22.591 r0 top
D5 "DIODE_ESD122DMXR_X2SON3_ESD122D" X2SON3_ESD122DMX_30X40_0-4 6.226,21.058 r180 top
D7 "DIODE_SOD323_DIO_DFN0402_0-5_TP" DIO_DFN0402_0-5 4.161,10.501 r270 top
D8 "DIODE_SOD323_DIO_DFN0402_0-5_TP" DIO_DFN0402_0-5 73.237,5.186 r90 top
D9 "DIODE_TVS_DUAL_DIO_DFN0201_0-4_" DIO_DFN0201_0-4 0.98,35.911 r90 bottom
D10 "DIODE_TVS_DUAL_DIO_DFN0201_0-4_" DIO_DFN0201_0-4 1.455,18.79 r270 bottom
D12 "DIODE_SOD323_DIO_DFN0402_0-5_TP" DIO_DFN0402_0-5 40.121,8.604 r90 bottom
D13 "DIODE_SOD323_DIO_DFN0402_0-5_TP" DIO_DFN0402_0-5 33.263,8.604 r90 bottom
D14 "DIODE_ZENER_SOT23_13_SOT23-123_" SOT23-123_1-2#2 64.785,72.161 r0 bottom
FB1 "INDUCTOR_FERRITE_IND0603_300E" IND0603#1 7.665,112.991 r90 bottom
FB2 "INDUCTOR_FERRITE_IND0603_300E" IND0603#1 11.18,115.098 r90 bottom
FB3 "INDUCTOR_FERRITE_IND0603_300E" IND0603#2 14.279,104.699 r0 bottom
FL1 "EMIFILTER_IND_EMIFIL_BLM15A_040" EMIFIL_BLM15A_0402_0-6#1 50.941,132.903 r270 top
FL2 "EMIFILTER_IND_EMIFIL_BLM15A_040" EMIFIL_BLM15A_0402_0-6#1 52.795,127.213 r90 top
FL3 "EMIFILTER_IND_EMIFIL_BLM15A_040" EMIFIL_BLM15A_0402_0-6#1 47.642,99.868 r90 top
FL4 "EMIFILTER_IND_EMIFIL_BLM18K_060" EMIFIL_BLM18K_0603_0-7 48.062,96.304 r180 top
FL5 "EMIFILTER_IND_EMIFIL_BLM15A_040" EMIFIL_BLM15A_0402_0-6#1 46.105,94.172 r180 top
FL6 "EMIFILTER_IND_EMIFIL_BLM15A_040" EMIFIL_BLM15A_0402_0-6#1 46.75,92.619 r180 top
FL7 "EMIFILTER_IND_EMIFIL_BLM18K_060" EMIFIL_BLM18K_0603_0-7 48.745,92.175 r90 top
FL8 "EMIFILTER_IND_EMIFIL_BLM15A_040" EMIFIL_BLM15A_0402_0-6#1 0.941,90.147 r270 top
FL9 "EMIFILTER_IND_EMIFIL_BLM15A_040" EMIFIL_BLM15A_0402_0-6#1 21.574,80.452 r0 top
FL10 "EMIFILTER_IND_EMIFIL_BLM15A_040" EMIFIL_BLM15A_0402_0-6#1 59.13,69.959 r180 top
FL12 "EMIFILTER_IND_EMIFIL_BLM15A_040" EMIFIL_BLM15A_0402_0-6#1 67.883,39.177 r180 top
FL13 "EMIFILTER_IND_EMIFIL_BLM15A_040" EMIFIL_BLM15A_0402_0-6#1 21.767,107.276 r0 bottom
FL14 "EMIFILTER_IND_EMIFIL_BLM15A_040" EMIFIL_BLM15A_0402_0-6#1 18.556,103.744 r90 bottom
FL15 "EMIFILTER_IND_EMIFIL_BLM15P_040" EMIFIL_BLM15P_0402 68.122,102.015 r90 bottom
FL16 "EMIFILTER_IND_EMIFIL_BLM15A_040" EMIFIL_BLM15A_0402_0-6#2 48.161,101.507 r0 bottom
FL17 "EMIFILTER_IND_EMIFIL_BLM15A_040" EMIFIL_BLM15A_0402_0-6#1 1.409,98.344 r90 bottom
FL18 "EMIFILTER_IND_EMIFIL_BLM18K_060" EMIFIL_BLM18K_0603_0-7 14.254,94.082 r270 bottom
FL19 "EMIFILTER_IND_EMIFIL_BLM15A_040" EMIFIL_BLM15A_0402_0-6#1 16.397,89.875 r0 bottom
FL20 "EMIFILTER_IND_EMIFIL_BLM15P_040" EMIFIL_BLM15P_0402 68.147,79.563 r90 bottom
FL21 "EMIFILTER_IND_EMIFIL_BLM15A_040" EMIFIL_BLM15A_0402_0-6#1 60.769,72.322 r90 bottom
FL22 "EMIFILTER_IND_EMIFIL_BLM15A_040" EMIFIL_BLM15A_0402_0-6#1 50.554,67.734 r0 bottom
FL23 "EMIFILTER_IND_EMIFIL_BLM15A_040" EMIFIL_BLM15A_0402_0-6#2 43.069,63.889 r0 bottom
FL25 "EMIFILTER_IND_EMIFIL_BLM15A_040" EMIFIL_BLM15A_0402_0-6#1 16.217,8.539 r90 bottom
FL26 "EMIFILTER_IND_EMIFIL_BLM15A_040" EMIFIL_BLM15A_0402_0-6#1 9.732,4.833 r270 bottom
J1 "CON_3_U.FL-R-SMT_CON_JACK3_U-FL" CON_JACK3_U-FL-R-SMT_P_S_S_1-3 55.317,144.841 r270 top
J2 "CON_3_U.FL-R-SMT_CON_JACK3_U-FL" CON_JACK3_U-FL-R-SMT_P_S_S_1-3 66.922,144.841 r270 top
J3 "HEADER_20X2_HDR_2X20_PEC20DAAN_" HDR_2X20_PEC20DAAN_S_T_8-6 29.547,120.584 r0 top
J4 "CON_RJ45-14_LPJG16314A4NL_CON_R" CON_RJ45-14_LPJG16314A4NL_S_R_T_13-6 74.624,108.863 r90 top
J5 "CON_HDMI_19X1_CON_19X1_10029449" CON_19X1_10029449-001RLF_S_R_S_6-3 0.505,107.097 r270 top
J6 "CON_RJ45-14_LPJG16314A4NL_CON_R" CON_RJ45-14_LPJG16314A4NL_S_R_T_13-6 74.624,87.019 r90 top
J7 "CON_USB-A_4_2SH_CON_USBA4_62910" CON_USBA4_629104151_S_R_S_7-4 73.553,66.37 r90 top
J8 "HEADER_2X1_HDR_1X2_90120-0122_S" HDR_1X2_90120-0122_S_T_5-6 -1.448,65.178 r90 top
J9 "HEADER_14X2_HDR_14X2_100_S_T_HD" HDR_14X2_100_S_T 27.007,54.597 r180 top
J10 "HEADER_10X2_HDR_2X10_PREC010DAA" HDR_2X10_PREC010DAAN_S_T_8-4 21.927,46.977 r0 top
J11 "CON_USB-C_24_1240183621_CON_USB" CON_USBC24_2012670_S_R_S_3-9 0.337,36.058 r270 top
J12 "CON_AUDIOJACK4_SJ-43514-SMT_CON" CON_AV4_SJ-43514-SMT_S_R_S_5-1 72.681,25.887 r90 top
J13 "CON_USB-C_24_1240183621_CON_USB" CON_USBC24_2012670_S_R_S_3-9 0.337,21.058 r270 top
J14 "HEADER_2X1_HDR_1X2_90120-0122_S" HDR_1X2_90120-0122_S_T_5-6 78.675,17.389 r90 top
J15 "CON_USB_MINI-B_CON_MUSBB5_62910" CON_MUSBB5_629105150521_S_R_S_2-7 -0.656,7.864 r270 top
J16 "CON_USB_MINI-B_CON_MUSBB5_62910" CON_MUSBB5_629105150521_S_R_S_2-7 78.036,7.864 r90 top
J17 "HEADER_10X2_FTR-06_HDR_2X10_FTR" HDR_2X10_FTR-110-51-D-06_S_S_8-7 34.177,1.966 r180 top
J18 "HEADER_7X2_CON_BOX2X7_3020-14-0" CON_BOX2X7_3020-14-0300-00_P_S_S_10-4 26.024,131.556 r0 bottom
J19 "CON_FLEX_15X1_1-1734248-5_CON_F" CON_FLEX1X15_1-1734248-5_S_S_S_7-7 56.58,97.851 r0 bottom
J20 "CON_SDCARD9_MEM2075-00-140_CON_" CON_SD9_MEM2051-00-195-00_S_R_S_2-1 4.599,89.952 r90 bottom
J21 "CON_FLEX_40X1_SH4_CON_FLEX1X40_" CON_FLEX1X40_FFC2A32-40-T_S_S_S_4-3 57.512,60.209 r270 bottom
J22 "HEADER_5X2_HDR_2X5_PEC05DAAN_S_" HDR_2X5_PEC05DAAN_S_T_8-6 0.09,51.699 r270 bottom
J23 "CON_FLEX_40X1_FH12A-40S-0.5SH_C" CON_FLEX40X1_FH12A_S_R_S 60.187,1.425 r0 bottom
J24 "HEADER_2X1_HDR_1X2_90120-0122_S" HDR_1X2_90120-0122_S_T_5-6 53.738,44.667 r180 top
L1 "INDUCTOR_IND0402_0-6_2.2NH" IND0402_0-6 74.946,144.165 r90 top
L2 "INDUCTOR_IND0402_0-6_1.8NH" IND0402_0-6 77.615,144.165 r90 top
L3 "INDUCTOR_IND0402_0-6_1.3NH" IND0402_0-6 23.853,143.105 r270 top
L4 "INDUCTOR_IND0402_0-6_2.2NH" IND0402_0-6 26.578,143.105 r270 top
L5 "INDUCTOR_IND0806_1-2_0.47UH" IND0806_1-2#1 4.496,96.302 r0 top
L7 "INDUCTOR_IND0806_1-2_0.47UH" IND0806_1-2#1 18.454,67.156 r270 top
L8 "INDUCTOR_IND_IHLP1212AE-11_130X" IND_IHLP1212AE-11_130X130_SMD_1-5 22.087,60.712 r270 top
L9 "INDUCTOR_DLW31S_IND4_DLW21H_90X" IND4_DLW21H_90X60_SMD_1-4 62.483,69.602 r270 top
L10 "INDUCTOR_DLW31S_IND4_DLW21H_90X" IND4_DLW21H_90X60_SMD_1-4 9.732,21.058 r180 top
L11 "INDUCTOR_IND0806_1-2_0.47UH" IND0806_1-2#2 50.497,65.898 r0 bottom
L12 "INDUCTOR_IND_XAL6060_260X270_SM" IND_XAL6060_260X270_SMD_6-1 36.786,36.332 r0 bottom
L13 "INDUCTOR_IND_XFL4020_170X170_SM" IND_XFL4020_170X170_SMD_2-1 20.017,25.576 r270 bottom
L14 "INDUCTOR_IND_1277AS-H_130X110_S" IND_1277AS-H_130X110_SMD_1-2 43.905,5.903 r0 bottom
L15 "INDUCTOR_IND_IHLP1212AE-11_130X" IND_IHLP1212AE-11_130X130_SMD_1-5 5.935,67.425 r0 top
LD1 "DIODE_LED_LED_150080VS75000_80X" LED_150080VS75000_80X50_SMD_0-8 -1.132,85.055 r270 top
LD2 "DIODE_LED_LED_150040GS73220_4_1" LED_150040GS73220_40X20_SMD_0-4 76.062,55.458 r0 top
LD3 "DIODE_LED_LED_150040GS73220_40X" LED_150040GS73220_40X20_SMD_0-4 76.062,53.909 r0 top
LD4 "DIODE_LED_LED_150040GS73220_4_1" LED_150040GS73220_40X20_SMD_0-4 76.062,52.334 r0 top
LD5 "DIODE_LED_LED_150040GS73220_4_2" LED_150040GS73220_40X20_SMD_0-4 76.062,50.759 r0 top
LD6 "DIODE_LED_LED_150040GS73220_4_2" LED_150040GS73220_40X20_SMD_0-4 76.062,49.185 r0 top
LD7 "DIODE_LED_LED_150040GS73220_4_1" LED_150040GS73220_40X20_SMD_0-4 76.062,47.61 r0 top
LD8 "DIODE_LED_LED_150040GS73220_40X" LED_150040GS73220_40X20_SMD_0-4 76.062,46.035 r0 top
LD9 "DIODE_LED_LED_150040GS73220_4_1" LED_150040GS73220_40X20_SMD_0-4 76.062,44.486 r0 top
LD10 "DIODE_LED_LED_150080VS75000_80X" LED_150080VS75000_80X50_SMD_0-8 8.688,41.996 r0 top
LD11 "DIODE_LED_LED_150080VS75000_80X" LED_150080VS75000_80X50_SMD_0-8 50.535,40.951 r270 top
LD12 "DIODE_LED_LED_150080VS75000_80X" LED_150080VS75000_80X50_SMD_0-8 9.762,18.837 r0 top
LD13 "DIODE_LED_LED_150080VS75000_80X" LED_150080VS75000_80X50_SMD_0-8 13.899,14.089 r180 top